# Altium PCB PCB22.PcbDoc (part 9 of 16)
Units mm, origin at the board's own origin, x right, y up, seen from the top; angles counter-clockwise.
Board outline 233.7 x 110.51 mm, 4 copper layers (Top Layer, Layer 1, Layer 2, Bottom Layer), stack 0.603 mm thick; 1249 components, 1355 nets, 4549 pads, 1315 vias.
Unrouted connection lines stored in the file: 1569.
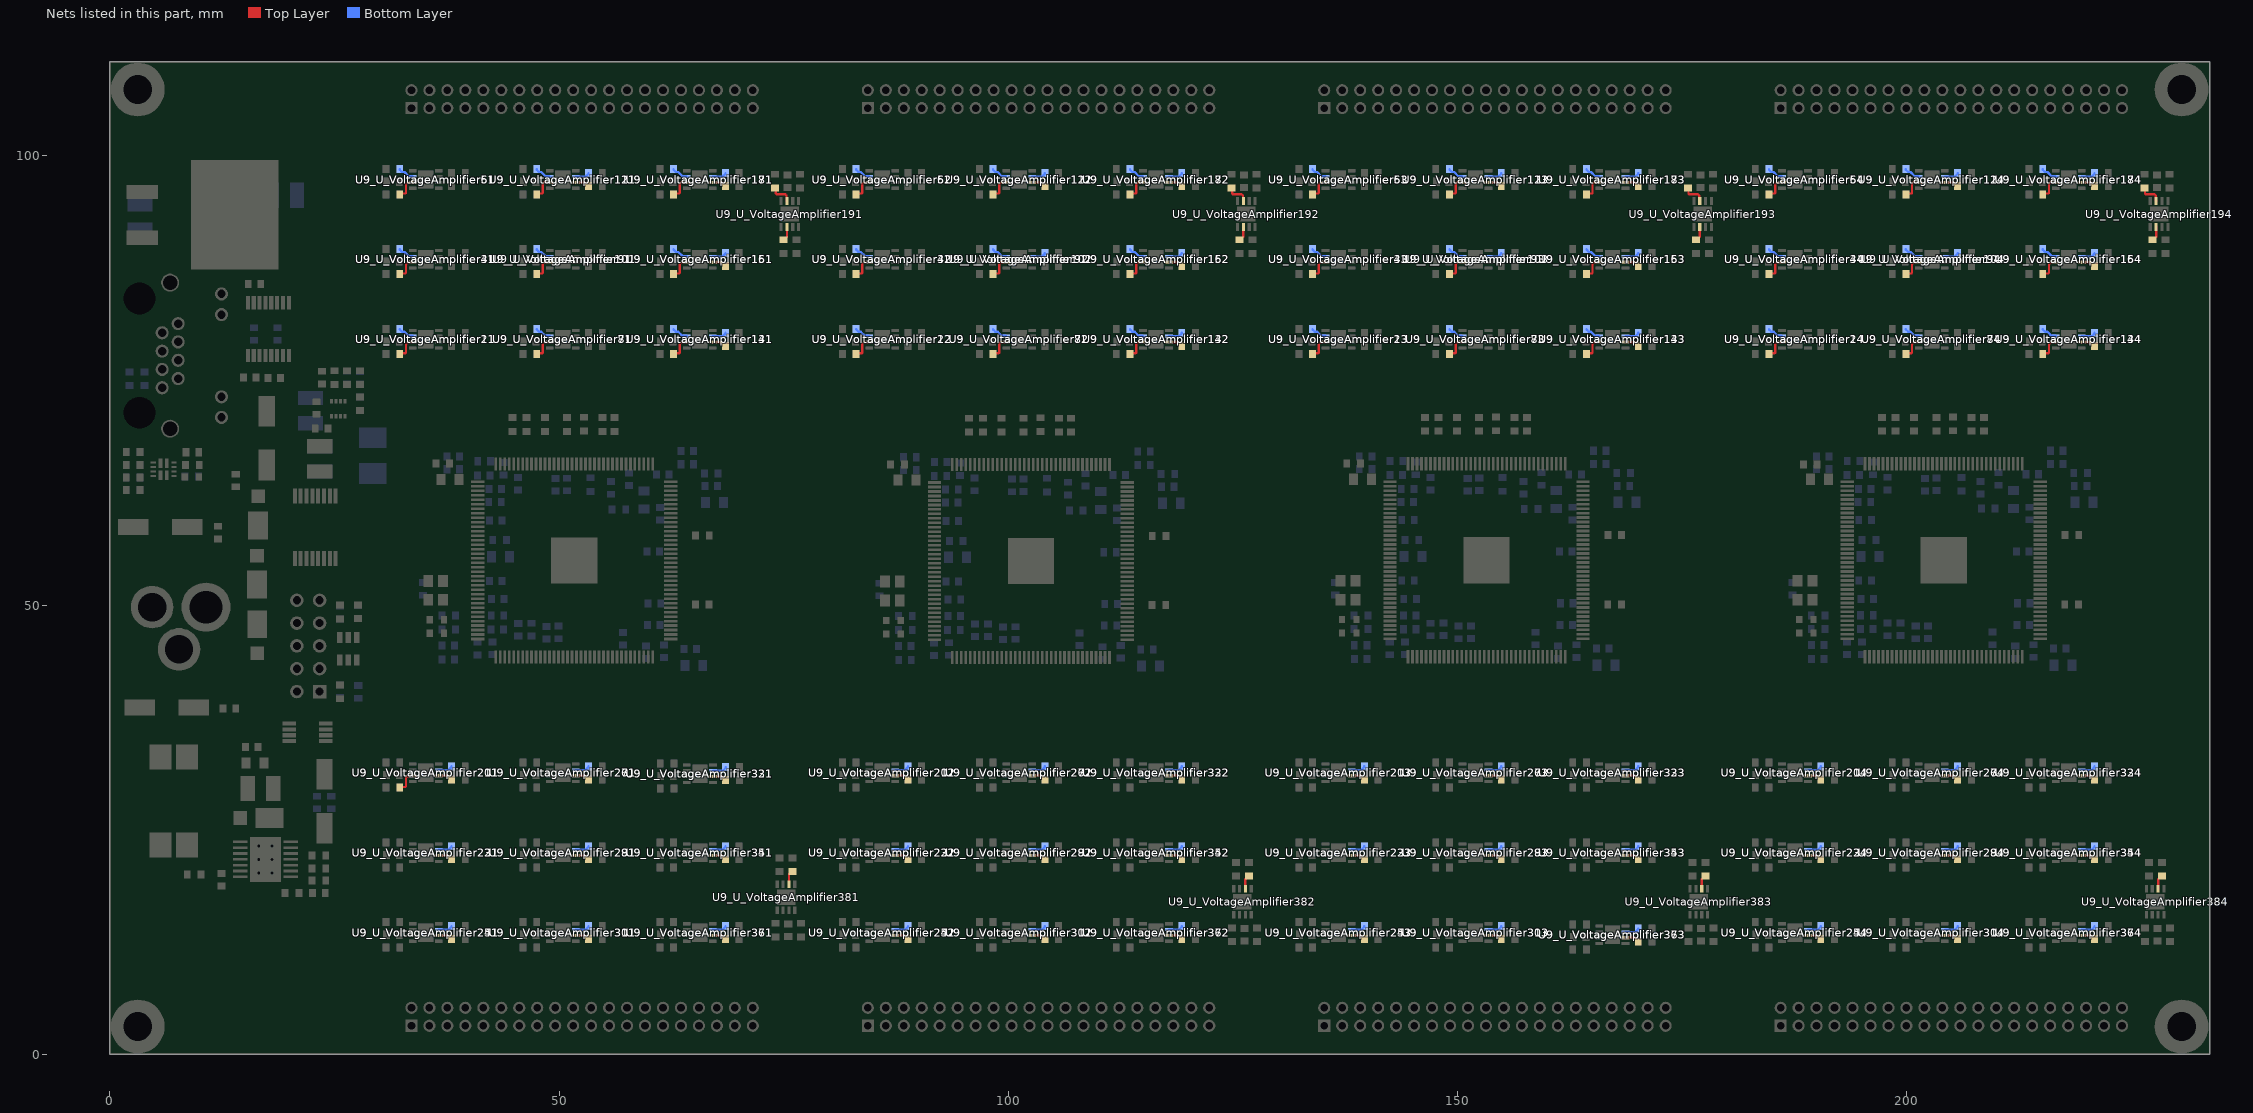
[diagram p11: the nets of this part, all layers, seen from the top]

## Via types
v1: diameter 0.61, hole 0.305, Top Layer to Bottom Layer, 1315 vias

## Nets (pads, with @x,y where several pads share a name; then routed paths per layer and width w, separated by ;. In a path a pad name is that pad's centre, name@x,y a point inside that pad or via, vN(x,y) a via of type N, cw(c..) or ccw(c..) an arc to the next point about the centre after c; other vN are vias at no path point) (continued)
NetR26_U_VoltageAmplifier102_2: R26_U_VoltageAmplifier102.2 U9_U_VoltageAmplifier102.2 | length 1.6
  Bottom Layer w0.254: U9_U_VoltageAmplifier102.2@102.648,88.818 103.738,88.818 104.066,89.146 R26_U_VoltageAmplifier102.2@104.066,89.209
NetR26_U_VoltageAmplifier103_2: R26_U_VoltageAmplifier103.2 U9_U_VoltageAmplifier103.2 | length 1.6
  Bottom Layer w0.254: U9_U_VoltageAmplifier103.2@153.448,88.818 154.538,88.818 154.866,89.146 R26_U_VoltageAmplifier103.2@154.866,89.209
NetR26_U_VoltageAmplifier104_2: R26_U_VoltageAmplifier104.2 U9_U_VoltageAmplifier104.2 | length 1.6
  Bottom Layer w0.254: U9_U_VoltageAmplifier104.2@204.248,88.818 205.338,88.818 205.666,89.146 R26_U_VoltageAmplifier104.2@205.666,89.209
NetR26_U_VoltageAmplifier111_2: R26_U_VoltageAmplifier111.2 U9_U_VoltageAmplifier111.2 | length 1.6
  Top Layer w0.254: U9_U_VoltageAmplifier111.2@51.848,97.058 52.923,97.058 53.266,96.715 R26_U_VoltageAmplifier111.2@53.266,96.652
NetR26_U_VoltageAmplifier112_2: R26_U_VoltageAmplifier112.2 U9_U_VoltageAmplifier112.2 | length 1.6
  Top Layer w0.254: U9_U_VoltageAmplifier112.2@102.648,97.058 103.723,97.058 104.066,96.715 R26_U_VoltageAmplifier112.2@104.066,96.652
NetR26_U_VoltageAmplifier113_2: R26_U_VoltageAmplifier113.2 U9_U_VoltageAmplifier113.2 | length 1.6
  Top Layer w0.254: U9_U_VoltageAmplifier113.2@153.448,97.058 154.523,97.058 154.866,96.715 R26_U_VoltageAmplifier113.2@154.866,96.652
NetR26_U_VoltageAmplifier114_2: R26_U_VoltageAmplifier114.2 U9_U_VoltageAmplifier114.2 | length 1.6
  Top Layer w0.254: U9_U_VoltageAmplifier114.2@204.248,97.058 205.323,97.058 205.666,96.715 R26_U_VoltageAmplifier114.2@205.666,96.652
NetR26_U_VoltageAmplifier121_2: R26_U_VoltageAmplifier121.2 U9_U_VoltageAmplifier121.2 | length 1.6
  Bottom Layer w0.254: U9_U_VoltageAmplifier121.2@51.848,97.708 52.938,97.708 53.266,98.036 R26_U_VoltageAmplifier121.2@53.266,98.099
NetR26_U_VoltageAmplifier122_2: R26_U_VoltageAmplifier122.2 U9_U_VoltageAmplifier122.2 | length 1.6
  Bottom Layer w0.254: U9_U_VoltageAmplifier122.2@102.648,97.708 103.738,97.708 104.066,98.036 R26_U_VoltageAmplifier122.2@104.066,98.099
NetR26_U_VoltageAmplifier123_2: R26_U_VoltageAmplifier123.2 U9_U_VoltageAmplifier123.2 | length 1.6
  Bottom Layer w0.254: U9_U_VoltageAmplifier123.2@153.448,97.708 154.538,97.708 154.866,98.036 R26_U_VoltageAmplifier123.2@154.866,98.099
NetR26_U_VoltageAmplifier124_2: R26_U_VoltageAmplifier124.2 U9_U_VoltageAmplifier124.2 | length 1.6
  Bottom Layer w0.254: U9_U_VoltageAmplifier124.2@204.248,97.708 205.338,97.708 205.666,98.036 R26_U_VoltageAmplifier124.2@205.666,98.099
NetR26_U_VoltageAmplifier131_2: R26_U_VoltageAmplifier131.2 U9_U_VoltageAmplifier131.2 | length 1.6
  Top Layer w0.254: U9_U_VoltageAmplifier131.2@67.088,79.278 68.163,79.278 68.506,78.935 R26_U_VoltageAmplifier131.2@68.506,78.872
NetR26_U_VoltageAmplifier132_2: R26_U_VoltageAmplifier132.2 U9_U_VoltageAmplifier132.2 | length 1.6
  Top Layer w0.254: U9_U_VoltageAmplifier132.2@117.888,79.278 118.963,79.278 119.306,78.935 R26_U_VoltageAmplifier132.2@119.306,78.872
NetR26_U_VoltageAmplifier133_2: R26_U_VoltageAmplifier133.2 U9_U_VoltageAmplifier133.2 | length 1.6
  Top Layer w0.254: U9_U_VoltageAmplifier133.2@168.688,79.278 169.763,79.278 170.106,78.935 R26_U_VoltageAmplifier133.2@170.106,78.872
NetR26_U_VoltageAmplifier134_2: R26_U_VoltageAmplifier134.2 U9_U_VoltageAmplifier134.2 | length 1.6
  Top Layer w0.254: U9_U_VoltageAmplifier134.2@219.488,79.278 220.563,79.278 220.906,78.935 R26_U_VoltageAmplifier134.2@220.906,78.872
NetR26_U_VoltageAmplifier141_2: R26_U_VoltageAmplifier141.2 U9_U_VoltageAmplifier141.2 | length 1.6
  Bottom Layer w0.254: U9_U_VoltageAmplifier141.2@67.088,79.928 68.178,79.928 68.506,80.256 R26_U_VoltageAmplifier141.2@68.506,80.319
NetR26_U_VoltageAmplifier142_2: R26_U_VoltageAmplifier142.2 U9_U_VoltageAmplifier142.2 | length 1.6
  Bottom Layer w0.254: U9_U_VoltageAmplifier142.2@117.888,79.928 118.978,79.928 119.306,80.256 R26_U_VoltageAmplifier142.2@119.306,80.319
NetR26_U_VoltageAmplifier143_2: R26_U_VoltageAmplifier143.2 U9_U_VoltageAmplifier143.2 | length 1.6
  Bottom Layer w0.254: U9_U_VoltageAmplifier143.2@168.688,79.928 169.778,79.928 170.106,80.256 R26_U_VoltageAmplifier143.2@170.106,80.319
NetR26_U_VoltageAmplifier144_2: R26_U_VoltageAmplifier144.2 U9_U_VoltageAmplifier144.2 | length 1.6
  Bottom Layer w0.254: U9_U_VoltageAmplifier144.2@219.488,79.928 220.578,79.928 220.906,80.256 R26_U_VoltageAmplifier144.2@220.906,80.319
NetR26_U_VoltageAmplifier151_2: R26_U_VoltageAmplifier151.2 U9_U_VoltageAmplifier151.2 | length 1.6
  Top Layer w0.254: U9_U_VoltageAmplifier151.2@67.088,88.168 68.163,88.168 68.506,87.825 R26_U_VoltageAmplifier151.2@68.506,87.762
NetR26_U_VoltageAmplifier152_2: R26_U_VoltageAmplifier152.2 U9_U_VoltageAmplifier152.2 | length 1.6
  Top Layer w0.254: U9_U_VoltageAmplifier152.2@117.888,88.168 118.963,88.168 119.306,87.825 R26_U_VoltageAmplifier152.2@119.306,87.762
NetR26_U_VoltageAmplifier153_2: R26_U_VoltageAmplifier153.2 U9_U_VoltageAmplifier153.2 | length 1.6
  Top Layer w0.254: U9_U_VoltageAmplifier153.2@168.688,88.168 169.763,88.168 170.106,87.825 R26_U_VoltageAmplifier153.2@170.106,87.762
NetR26_U_VoltageAmplifier154_2: R26_U_VoltageAmplifier154.2 U9_U_VoltageAmplifier154.2 | length 1.6
  Top Layer w0.254: U9_U_VoltageAmplifier154.2@219.488,88.168 220.563,88.168 220.906,87.825 R26_U_VoltageAmplifier154.2@220.906,87.762
NetR26_U_VoltageAmplifier161_2: R26_U_VoltageAmplifier161.2 U9_U_VoltageAmplifier161.2 | length 1.6
  Bottom Layer w0.254: U9_U_VoltageAmplifier161.2@67.088,88.818 68.178,88.818 68.506,89.146 R26_U_VoltageAmplifier161.2@68.506,89.209
NetR26_U_VoltageAmplifier162_2: R26_U_VoltageAmplifier162.2 U9_U_VoltageAmplifier162.2 | length 1.6
  Bottom Layer w0.254: U9_U_VoltageAmplifier162.2@117.888,88.818 118.978,88.818 119.306,89.146 R26_U_VoltageAmplifier162.2@119.306,89.209
NetR26_U_VoltageAmplifier163_2: R26_U_VoltageAmplifier163.2 U9_U_VoltageAmplifier163.2 | length 1.6
  Bottom Layer w0.254: U9_U_VoltageAmplifier163.2@168.688,88.818 169.778,88.818 170.106,89.146 R26_U_VoltageAmplifier163.2@170.106,89.209
NetR26_U_VoltageAmplifier164_2: R26_U_VoltageAmplifier164.2 U9_U_VoltageAmplifier164.2 | length 1.6
  Bottom Layer w0.254: U9_U_VoltageAmplifier164.2@219.488,88.818 220.578,88.818 220.906,89.146 R26_U_VoltageAmplifier164.2@220.906,89.209
NetR26_U_VoltageAmplifier171_2: R26_U_VoltageAmplifier171.2 U9_U_VoltageAmplifier171.2 | length 1.6
  Top Layer w0.254: U9_U_VoltageAmplifier171.2@67.088,97.058 68.163,97.058 68.506,96.715 R26_U_VoltageAmplifier171.2@68.506,96.652
NetR26_U_VoltageAmplifier172_2: R26_U_VoltageAmplifier172.2 U9_U_VoltageAmplifier172.2 | length 1.6
  Top Layer w0.254: U9_U_VoltageAmplifier172.2@117.888,97.058 118.963,97.058 119.306,96.715 R26_U_VoltageAmplifier172.2@119.306,96.652
NetR26_U_VoltageAmplifier173_2: R26_U_VoltageAmplifier173.2 U9_U_VoltageAmplifier173.2 | length 1.6
  Top Layer w0.254: U9_U_VoltageAmplifier173.2@168.688,97.058 169.763,97.058 170.106,96.715 R26_U_VoltageAmplifier173.2@170.106,96.652
NetR26_U_VoltageAmplifier174_2: R26_U_VoltageAmplifier174.2 U9_U_VoltageAmplifier174.2 | length 1.6
  Top Layer w0.254: U9_U_VoltageAmplifier174.2@219.488,97.058 220.563,97.058 220.906,96.715 R26_U_VoltageAmplifier174.2@220.906,96.652
NetR26_U_VoltageAmplifier181_2: R26_U_VoltageAmplifier181.2 U9_U_VoltageAmplifier181.2 | length 1.6
  Bottom Layer w0.254: U9_U_VoltageAmplifier181.2@67.088,97.708 68.178,97.708 68.506,98.036 R26_U_VoltageAmplifier181.2@68.506,98.099
NetR26_U_VoltageAmplifier182_2: R26_U_VoltageAmplifier182.2 U9_U_VoltageAmplifier182.2 | length 1.6
  Bottom Layer w0.254: U9_U_VoltageAmplifier182.2@117.888,97.708 118.978,97.708 119.306,98.036 R26_U_VoltageAmplifier182.2@119.306,98.099
NetR26_U_VoltageAmplifier183_2: R26_U_VoltageAmplifier183.2 U9_U_VoltageAmplifier183.2 | length 1.6
  Bottom Layer w0.254: U9_U_VoltageAmplifier183.2@168.688,97.708 169.778,97.708 170.106,98.036 R26_U_VoltageAmplifier183.2@170.106,98.099
NetR26_U_VoltageAmplifier184_2: R26_U_VoltageAmplifier184.2 U9_U_VoltageAmplifier184.2 | length 1.6
  Bottom Layer w0.254: U9_U_VoltageAmplifier184.2@219.488,97.708 220.578,97.708 220.906,98.036 R26_U_VoltageAmplifier184.2@220.906,98.099
NetR26_U_VoltageAmplifier191_2: R26_U_VoltageAmplifier191.2 U9_U_VoltageAmplifier191.2 | length 1.6
  Top Layer w0.254: R26_U_VoltageAmplifier191.2@74.952,90.672 75.015,90.672 75.358,91.015 U9_U_VoltageAmplifier191.2@75.358,92.09
NetR26_U_VoltageAmplifier192_2: R26_U_VoltageAmplifier192.2 U9_U_VoltageAmplifier192.2 | length 1.6
  Top Layer w0.254: R26_U_VoltageAmplifier192.2@125.752,90.672 125.815,90.672 126.158,91.015 U9_U_VoltageAmplifier192.2@126.158,92.09
NetR26_U_VoltageAmplifier193_2: R26_U_VoltageAmplifier193.2 U9_U_VoltageAmplifier193.2 | length 1.6
  Top Layer w0.254: R26_U_VoltageAmplifier193.2@176.552,90.672 176.615,90.672 176.958,91.015 U9_U_VoltageAmplifier193.2@176.958,92.09
NetR26_U_VoltageAmplifier194_2: R26_U_VoltageAmplifier194.2 U9_U_VoltageAmplifier194.2 | length 1.6
  Top Layer w0.254: R26_U_VoltageAmplifier194.2@227.352,90.672 227.415,90.672 227.758,91.015 U9_U_VoltageAmplifier194.2@227.758,92.09
NetR26_U_VoltageAmplifier201_2: R26_U_VoltageAmplifier201.2 U9_U_VoltageAmplifier201.2 | length 1.6
  Top Layer w0.254: U9_U_VoltageAmplifier201.2@36.608,31.018 37.683,31.018 38.026,30.675 R26_U_VoltageAmplifier201.2@38.026,30.612
NetR26_U_VoltageAmplifier202_2: R26_U_VoltageAmplifier202.2 U9_U_VoltageAmplifier202.2 | length 1.6
  Top Layer w0.254: U9_U_VoltageAmplifier202.2@87.408,31.018 88.483,31.018 88.826,30.675 R26_U_VoltageAmplifier202.2@88.826,30.612
NetR26_U_VoltageAmplifier203_2: R26_U_VoltageAmplifier203.2 U9_U_VoltageAmplifier203.2 | length 1.6
  Top Layer w0.254: U9_U_VoltageAmplifier203.2@138.208,31.018 139.283,31.018 139.626,30.675 R26_U_VoltageAmplifier203.2@139.626,30.612
NetR26_U_VoltageAmplifier204_2: R26_U_VoltageAmplifier204.2 U9_U_VoltageAmplifier204.2 | length 1.6
  Top Layer w0.254: U9_U_VoltageAmplifier204.2@189.008,31.018 190.083,31.018 190.426,30.675 R26_U_VoltageAmplifier204.2@190.426,30.612
NetR26_U_VoltageAmplifier211_2: R26_U_VoltageAmplifier211.2 U9_U_VoltageAmplifier211.2 | length 1.6
  Bottom Layer w0.254: U9_U_VoltageAmplifier211.2@36.608,31.668 37.698,31.668 38.026,31.996 R26_U_VoltageAmplifier211.2@38.026,32.059
NetR26_U_VoltageAmplifier212_2: R26_U_VoltageAmplifier212.2 U9_U_VoltageAmplifier212.2 | length 1.6
  Bottom Layer w0.254: U9_U_VoltageAmplifier212.2@87.408,31.668 88.498,31.668 88.826,31.996 R26_U_VoltageAmplifier212.2@88.826,32.059
NetR26_U_VoltageAmplifier213_2: R26_U_VoltageAmplifier213.2 U9_U_VoltageAmplifier213.2 | length 1.6
  Bottom Layer w0.254: U9_U_VoltageAmplifier213.2@138.208,31.668 139.298,31.668 139.626,31.996 R26_U_VoltageAmplifier213.2@139.626,32.059
NetR26_U_VoltageAmplifier214_2: R26_U_VoltageAmplifier214.2 U9_U_VoltageAmplifier214.2 | length 1.6
  Bottom Layer w0.254: U9_U_VoltageAmplifier214.2@189.008,31.668 190.098,31.668 190.426,31.996 R26_U_VoltageAmplifier214.2@190.426,32.059
NetR26_U_VoltageAmplifier221_2: R26_U_VoltageAmplifier221.2 U9_U_VoltageAmplifier221.2 | length 1.6
  Top Layer w0.254: U9_U_VoltageAmplifier221.2@36.608,22.128 37.683,22.128 38.026,21.785 R26_U_VoltageAmplifier221.2@38.026,21.722
NetR26_U_VoltageAmplifier222_2: R26_U_VoltageAmplifier222.2 U9_U_VoltageAmplifier222.2 | length 1.6
  Top Layer w0.254: U9_U_VoltageAmplifier222.2@87.408,22.128 88.483,22.128 88.826,21.785 R26_U_VoltageAmplifier222.2@88.826,21.722
NetR26_U_VoltageAmplifier223_2: R26_U_VoltageAmplifier223.2 U9_U_VoltageAmplifier223.2 | length 1.6
  Top Layer w0.254: U9_U_VoltageAmplifier223.2@138.208,22.128 139.283,22.128 139.626,21.785 R26_U_VoltageAmplifier223.2@139.626,21.722
NetR26_U_VoltageAmplifier224_2: R26_U_VoltageAmplifier224.2 U9_U_VoltageAmplifier224.2 | length 1.6
  Top Layer w0.254: U9_U_VoltageAmplifier224.2@189.008,22.128 190.083,22.128 190.426,21.785 R26_U_VoltageAmplifier224.2@190.426,21.722
NetR26_U_VoltageAmplifier231_2: R26_U_VoltageAmplifier231.2 U9_U_VoltageAmplifier231.2 | length 1.6
  Bottom Layer w0.254: U9_U_VoltageAmplifier231.2@36.608,22.778 37.698,22.778 38.026,23.106 R26_U_VoltageAmplifier231.2@38.026,23.169
NetR26_U_VoltageAmplifier232_2: R26_U_VoltageAmplifier232.2 U9_U_VoltageAmplifier232.2 | length 1.6
  Bottom Layer w0.254: U9_U_VoltageAmplifier232.2@87.408,22.778 88.498,22.778 88.826,23.106 R26_U_VoltageAmplifier232.2@88.826,23.169
NetR26_U_VoltageAmplifier233_2: R26_U_VoltageAmplifier233.2 U9_U_VoltageAmplifier233.2 | length 1.6
  Bottom Layer w0.254: U9_U_VoltageAmplifier233.2@138.208,22.778 139.298,22.778 139.626,23.106 R26_U_VoltageAmplifier233.2@139.626,23.169
NetR26_U_VoltageAmplifier234_2: R26_U_VoltageAmplifier234.2 U9_U_VoltageAmplifier234.2 | length 1.6
  Bottom Layer w0.254: U9_U_VoltageAmplifier234.2@189.008,22.778 190.098,22.778 190.426,23.106 R26_U_VoltageAmplifier234.2@190.426,23.169
NetR26_U_VoltageAmplifier241_2: R26_U_VoltageAmplifier241.2 U9_U_VoltageAmplifier241.2 | length 1.6
  Top Layer w0.254: U9_U_VoltageAmplifier241.2@36.608,13.238 37.683,13.238 38.026,12.895 R26_U_VoltageAmplifier241.2@38.026,12.832
NetR26_U_VoltageAmplifier242_2: R26_U_VoltageAmplifier242.2 U9_U_VoltageAmplifier242.2 | length 1.6
  Top Layer w0.254: U9_U_VoltageAmplifier242.2@87.408,13.238 88.483,13.238 88.826,12.895 R26_U_VoltageAmplifier242.2@88.826,12.832
NetR26_U_VoltageAmplifier243_2: R26_U_VoltageAmplifier243.2 U9_U_VoltageAmplifier243.2 | length 1.6
  Top Layer w0.254: U9_U_VoltageAmplifier243.2@138.208,13.238 139.283,13.238 139.626,12.895 R26_U_VoltageAmplifier243.2@139.626,12.832
NetR26_U_VoltageAmplifier244_2: R26_U_VoltageAmplifier244.2 U9_U_VoltageAmplifier244.2 | length 1.6
  Top Layer w0.254: U9_U_VoltageAmplifier244.2@189.008,13.238 190.083,13.238 190.426,12.895 R26_U_VoltageAmplifier244.2@190.426,12.832
NetR26_U_VoltageAmplifier251_2: R26_U_VoltageAmplifier251.2 U9_U_VoltageAmplifier251.2 | length 1.6
  Bottom Layer w0.254: U9_U_VoltageAmplifier251.2@36.608,13.888 37.698,13.888 38.026,14.216 R26_U_VoltageAmplifier251.2@38.026,14.279
NetR26_U_VoltageAmplifier252_2: R26_U_VoltageAmplifier252.2 U9_U_VoltageAmplifier252.2 | length 1.6
  Bottom Layer w0.254: U9_U_VoltageAmplifier252.2@87.408,13.888 88.498,13.888 88.826,14.216 R26_U_VoltageAmplifier252.2@88.826,14.279
NetR26_U_VoltageAmplifier253_2: R26_U_VoltageAmplifier253.2 U9_U_VoltageAmplifier253.2 | length 1.6
  Bottom Layer w0.254: U9_U_VoltageAmplifier253.2@138.208,13.888 139.298,13.888 139.626,14.216 R26_U_VoltageAmplifier253.2@139.626,14.279
NetR26_U_VoltageAmplifier254_2: R26_U_VoltageAmplifier254.2 U9_U_VoltageAmplifier254.2 | length 1.6
  Bottom Layer w0.254: U9_U_VoltageAmplifier254.2@189.008,13.888 190.098,13.888 190.426,14.216 R26_U_VoltageAmplifier254.2@190.426,14.279
NetR26_U_VoltageAmplifier261_2: R26_U_VoltageAmplifier261.2 U9_U_VoltageAmplifier261.2 | length 1.6
  Top Layer w0.254: U9_U_VoltageAmplifier261.2@51.848,31.018 52.923,31.018 53.266,30.675 R26_U_VoltageAmplifier261.2@53.266,30.612
NetR26_U_VoltageAmplifier262_2: R26_U_VoltageAmplifier262.2 U9_U_VoltageAmplifier262.2 | length 1.6
  Top Layer w0.254: U9_U_VoltageAmplifier262.2@102.648,31.018 103.723,31.018 104.066,30.675 R26_U_VoltageAmplifier262.2@104.066,30.612
NetR26_U_VoltageAmplifier263_2: R26_U_VoltageAmplifier263.2 U9_U_VoltageAmplifier263.2 | length 1.6
  Top Layer w0.254: U9_U_VoltageAmplifier263.2@153.448,31.018 154.523,31.018 154.866,30.675 R26_U_VoltageAmplifier263.2@154.866,30.612
NetR26_U_VoltageAmplifier264_2: R26_U_VoltageAmplifier264.2 U9_U_VoltageAmplifier264.2 | length 1.6
  Top Layer w0.254: U9_U_VoltageAmplifier264.2@204.248,31.018 205.323,31.018 205.666,30.675 R26_U_VoltageAmplifier264.2@205.666,30.612
NetR26_U_VoltageAmplifier271_2: R26_U_VoltageAmplifier271.2 U9_U_VoltageAmplifier271.2 | length 1.6
  Bottom Layer w0.254: U9_U_VoltageAmplifier271.2@51.848,31.668 52.938,31.668 53.266,31.996 R26_U_VoltageAmplifier271.2@53.266,32.059
NetR26_U_VoltageAmplifier272_2: R26_U_VoltageAmplifier272.2 U9_U_VoltageAmplifier272.2 | length 1.6
  Bottom Layer w0.254: U9_U_VoltageAmplifier272.2@102.648,31.668 103.738,31.668 104.066,31.996 R26_U_VoltageAmplifier272.2@104.066,32.059
NetR26_U_VoltageAmplifier273_2: R26_U_VoltageAmplifier273.2 U9_U_VoltageAmplifier273.2 | length 1.6
  Bottom Layer w0.254: U9_U_VoltageAmplifier273.2@153.448,31.668 154.538,31.668 154.866,31.996 R26_U_VoltageAmplifier273.2@154.866,32.059
NetR26_U_VoltageAmplifier274_2: R26_U_VoltageAmplifier274.2 U9_U_VoltageAmplifier274.2 | length 1.6
  Bottom Layer w0.254: U9_U_VoltageAmplifier274.2@204.248,31.668 205.338,31.668 205.666,31.996 R26_U_VoltageAmplifier274.2@205.666,32.059
NetR26_U_VoltageAmplifier281_2: R26_U_VoltageAmplifier281.2 U9_U_VoltageAmplifier281.2 | length 1.6
  Top Layer w0.254: U9_U_VoltageAmplifier281.2@51.848,22.128 52.923,22.128 53.266,21.785 R26_U_VoltageAmplifier281.2@53.266,21.722
NetR26_U_VoltageAmplifier282_2: R26_U_VoltageAmplifier282.2 U9_U_VoltageAmplifier282.2 | length 1.6
  Top Layer w0.254: U9_U_VoltageAmplifier282.2@102.648,22.128 103.723,22.128 104.066,21.785 R26_U_VoltageAmplifier282.2@104.066,21.722
NetR26_U_VoltageAmplifier283_2: R26_U_VoltageAmplifier283.2 U9_U_VoltageAmplifier283.2 | length 1.6
  Top Layer w0.254: U9_U_VoltageAmplifier283.2@153.448,22.128 154.523,22.128 154.866,21.785 R26_U_VoltageAmplifier283.2@154.866,21.722
NetR26_U_VoltageAmplifier284_2: R26_U_VoltageAmplifier284.2 U9_U_VoltageAmplifier284.2 | length 1.6
  Top Layer w0.254: U9_U_VoltageAmplifier284.2@204.248,22.128 205.323,22.128 205.666,21.785 R26_U_VoltageAmplifier284.2@205.666,21.722
NetR26_U_VoltageAmplifier291_2: R26_U_VoltageAmplifier291.2 U9_U_VoltageAmplifier291.2 | length 1.6
  Bottom Layer w0.254: U9_U_VoltageAmplifier291.2@51.848,22.778 52.938,22.778 53.266,23.106 R26_U_VoltageAmplifier291.2@53.266,23.169
NetR26_U_VoltageAmplifier292_2: R26_U_VoltageAmplifier292.2 U9_U_VoltageAmplifier292.2 | length 1.6
  Bottom Layer w0.254: U9_U_VoltageAmplifier292.2@102.648,22.778 103.738,22.778 104.066,23.106 R26_U_VoltageAmplifier292.2@104.066,23.169
NetR26_U_VoltageAmplifier293_2: R26_U_VoltageAmplifier293.2 U9_U_VoltageAmplifier293.2 | length 1.6
  Bottom Layer w0.254: U9_U_VoltageAmplifier293.2@153.448,22.778 154.538,22.778 154.866,23.106 R26_U_VoltageAmplifier293.2@154.866,23.169
NetR26_U_VoltageAmplifier294_2: R26_U_VoltageAmplifier294.2 U9_U_VoltageAmplifier294.2 | length 1.6
  Bottom Layer w0.254: U9_U_VoltageAmplifier294.2@204.248,22.778 205.338,22.778 205.666,23.106 R26_U_VoltageAmplifier294.2@205.666,23.169
NetR26_U_VoltageAmplifier301_2: R26_U_VoltageAmplifier301.2 U9_U_VoltageAmplifier301.2 | length 1.6
  Top Layer w0.254: U9_U_VoltageAmplifier301.2@51.848,13.238 52.923,13.238 53.266,12.895 R26_U_VoltageAmplifier301.2@53.266,12.832
NetR26_U_VoltageAmplifier302_2: R26_U_VoltageAmplifier302.2 U9_U_VoltageAmplifier302.2 | length 1.6
  Top Layer w0.254: U9_U_VoltageAmplifier302.2@102.648,13.238 103.723,13.238 104.066,12.895 R26_U_VoltageAmplifier302.2@104.066,12.832
NetR26_U_VoltageAmplifier303_2: R26_U_VoltageAmplifier303.2 U9_U_VoltageAmplifier303.2 | length 1.6
  Top Layer w0.254: U9_U_VoltageAmplifier303.2@153.448,13.238 154.523,13.238 154.866,12.895 R26_U_VoltageAmplifier303.2@154.866,12.832
NetR26_U_VoltageAmplifier304_2: R26_U_VoltageAmplifier304.2 U9_U_VoltageAmplifier304.2 | length 1.6
  Top Layer w0.254: U9_U_VoltageAmplifier304.2@204.248,13.238 205.323,13.238 205.666,12.895 R26_U_VoltageAmplifier304.2@205.666,12.832
NetR26_U_VoltageAmplifier311_2: R26_U_VoltageAmplifier311.2 U9_U_VoltageAmplifier311.2 | length 1.6
  Bottom Layer w0.254: U9_U_VoltageAmplifier311.2@51.848,13.888 52.938,13.888 53.266,14.216 R26_U_VoltageAmplifier311.2@53.266,14.279
NetR26_U_VoltageAmplifier312_2: R26_U_VoltageAmplifier312.2 U9_U_VoltageAmplifier312.2 | length 1.6
  Bottom Layer w0.254: U9_U_VoltageAmplifier312.2@102.648,13.888 103.738,13.888 104.066,14.216 R26_U_VoltageAmplifier312.2@104.066,14.279
NetR26_U_VoltageAmplifier313_2: R26_U_VoltageAmplifier313.2 U9_U_VoltageAmplifier313.2 | length 1.6
  Bottom Layer w0.254: U9_U_VoltageAmplifier313.2@153.448,13.888 154.538,13.888 154.866,14.216 R26_U_VoltageAmplifier313.2@154.866,14.279
NetR26_U_VoltageAmplifier314_2: R26_U_VoltageAmplifier314.2 U9_U_VoltageAmplifier314.2 | length 1.6
  Bottom Layer w0.254: U9_U_VoltageAmplifier314.2@204.248,13.888 205.338,13.888 205.666,14.216 R26_U_VoltageAmplifier314.2@205.666,14.279
NetR26_U_VoltageAmplifier321_2: R26_U_VoltageAmplifier321.2 U9_U_VoltageAmplifier321.2 | length 1.6
  Top Layer w0.254: U9_U_VoltageAmplifier321.2@67.118,30.927 68.193,30.927 68.536,30.584 R26_U_VoltageAmplifier321.2@68.536,30.52
NetR26_U_VoltageAmplifier322_2: R26_U_VoltageAmplifier322.2 U9_U_VoltageAmplifier322.2 | length 1.6
  Top Layer w0.254: U9_U_VoltageAmplifier322.2@117.888,31.018 118.963,31.018 119.306,30.675 R26_U_VoltageAmplifier322.2@119.306,30.612
NetR26_U_VoltageAmplifier323_2: R26_U_VoltageAmplifier323.2 U9_U_VoltageAmplifier323.2 | length 1.6
  Top Layer w0.254: U9_U_VoltageAmplifier323.2@168.688,31.018 169.763,31.018 170.106,30.675 R26_U_VoltageAmplifier323.2@170.106,30.612
NetR26_U_VoltageAmplifier324_2: R26_U_VoltageAmplifier324.2 U9_U_VoltageAmplifier324.2 | length 1.6